# KiCad board Bread70.kicad_pcb (continued)
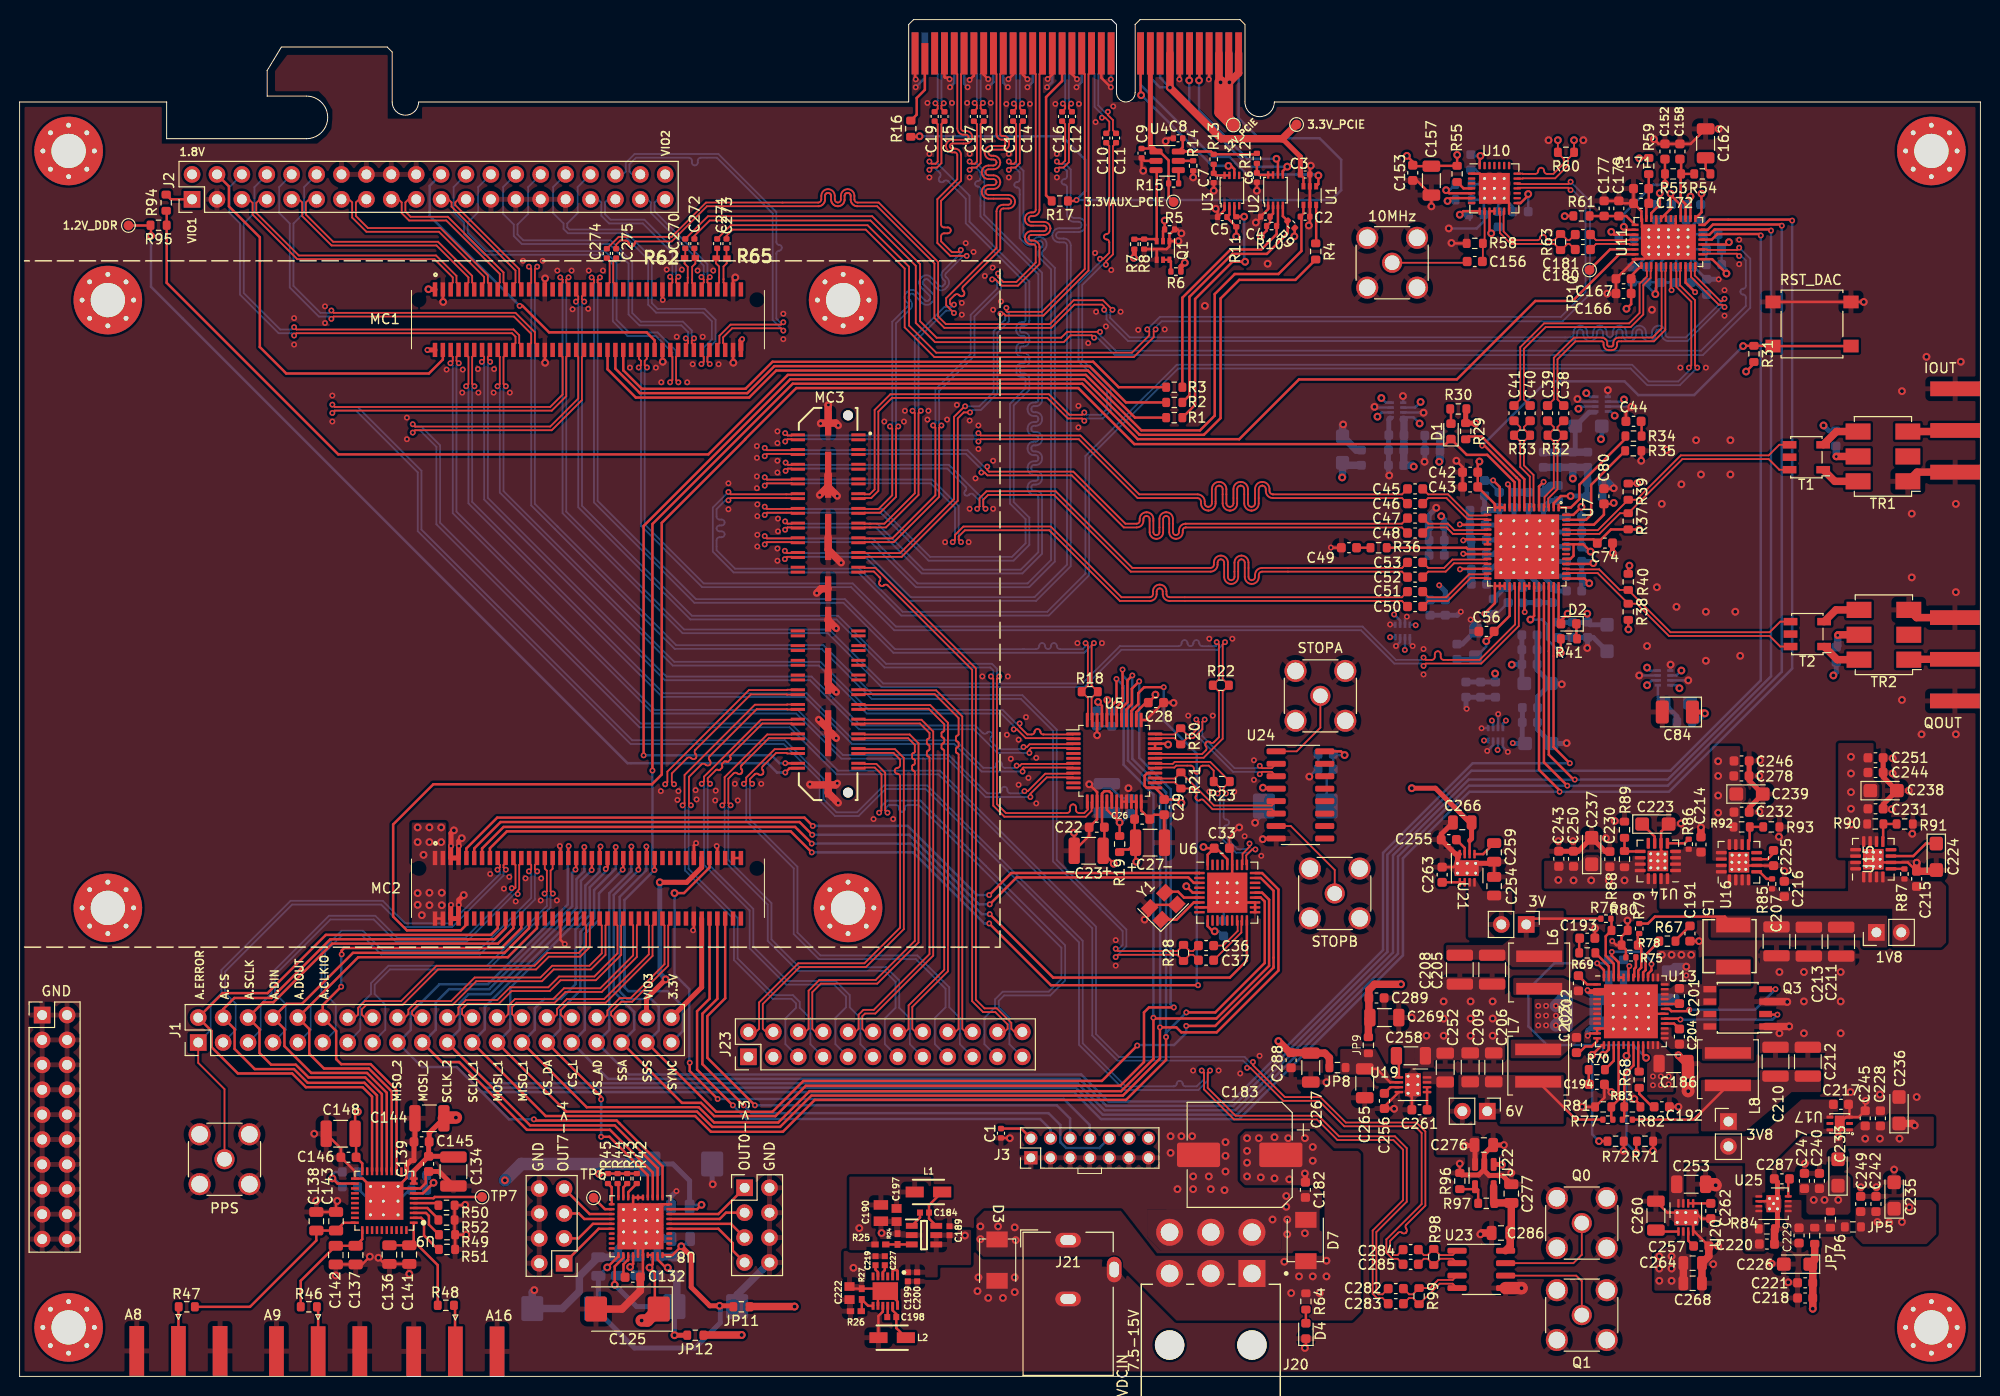
[diagram p0: board, top side]
## Routing (per net, layer and track width the routed paths; a pad name or vN(x,y) marks a point on that pad's centre or on a via; arc(x,y) is an arc through that point) (continued)
/MC12/B84_L3P: length 34.7
  Top w0.184: J5.70 69.57,104.21 69.78,104 69.78,103.5 v1(69.54,103.27)
  Bottom w0.184: v1(69.54,103.27) 69.78,103.5 69.78,104.95 70.61,105.78 70.61,107.62 69.72,108.51 64.92,108.51 64.11,109.32 64.11,113.92 61.42,116.61 55.92,116.61 55.48,117.05 55.48,117.6 54.42,118.66 54.42,121.32 55.7,122.6
/MC12/B84_L4N: length 15.4
  Top w0.184: J5.63 67.17,111.37 66.96,111.58 66.96,111.93 v1(67.19,112.17)
  Bottom w0.184: v1(67.19,112.17) 66.96,112.4 66.96,114.76 63.73,117.99 60.28,117.99 59.71,118.56 59.71,119.75 60.02,120.06 60.79,120.06
/MC12/B84_L4P: length 15.4
  Top w0.184: J5.61 66.37,111.37 66.58,111.58 66.58,111.93 v1(66.34,112.17)
  Bottom w0.184: v1(66.34,112.17) 66.58,112.4 66.58,114.6 63.57,117.61 60.12,117.61 59.33,118.4 59.33,119.75 59.02,120.06 58.25,120.06
/MC12/B84_L9N: length 34.2
  Top w0.184: J5.68 68.77,105.2 68.56,105.41 68.56,105.65 v1(68.79,105.88)
  Bottom w0.184: 53.16,122.6 51.87,121.31 51.87,118.59 50.78,117.5 50.78,116.48 51.38,115.89 60.28,115.89 62.49,113.68 62.49,108.48 63.38,107.59 67.65,107.59 68.56,106.68 68.56,106.12 v1(68.79,105.88)
/MC12/B84_L9P: length 34.2
  Top w0.184: J5.66 67.97,105.2 68.18,105.41 68.18,105.65 v1(67.94,105.88)
  Bottom w0.184: v1(67.94,105.88) 68.18,106.12 68.18,106.53 67.5,107.21 63.22,107.21 62.11,108.32 62.11,113.52 60.12,115.51 51.22,115.51 50.41,116.33 50.41,117.5 49.32,118.59 49.32,121.32 50.6,122.6
/MC12/B86_HDGC_L5N: length 17.2
  Top w0.184: 56.27,36.6 55.5,36.6 55.19,36.91 55.19,37.32 55.98,38.11 59.78,38.11 64.56,42.89 64.56,46 64.77,46.21 J4.58
/MC12/B86_HDGC_L5P: length 17.2
  Top w0.184: 53.73,36.6 54.5,36.6 54.81,36.91 54.81,37.48 55.82,38.49 59.62,38.49 64.18,43.05 64.18,46 63.97,46.21 J4.56
/MC12/B86_HDGC_L6N: length 20.8
  Top w0.184: 51.31,36.65 50.54,36.65 50.23,36.95 50.23,37.66 50.68,38.11 54.58,38.11 55.68,39.21 59.38,39.21 62.96,42.79 62.96,46 63.17,46.21 J4.54
/MC12/B86_HDGC_L6P: length 20.8
  Top w0.184: 48.77,36.65 49.55,36.65 49.85,36.95 49.85,37.82 50.52,38.49 54.42,38.49 55.52,39.59 59.22,39.59 62.58,42.95 62.58,46 62.37,46.21 J4.52
/MC12/B86_HDGC_L7N: length 30.6
  Top w0.184: J4.42 58.37,46.21 58.16,46 58.16,43.79 57.18,42.81 53.98,42.81 52.68,41.51 42.68,41.51 39.08,37.91 35.38,37.91 34.91,37.44 34.91,36.91 35.21,36.6 35.99,36.6
/MC12/B86_HDGC_L7P: length 30.6
  Top w0.184: 33.45,36.6 34.22,36.6 34.53,36.91 34.53,37.59 35.22,38.29 38.92,38.29 42.52,41.89 52.52,41.89 53.82,43.19 57.02,43.19 57.78,43.95 57.78,46 57.57,46.21 J4.40
/MC12/B86_L2N: length 24
  Top w0.184: 46.21,36.65 45.44,36.65 45.13,36.95 45.13,37.46 45.68,38.01 48.88,38.01 50.18,39.31 54.08,39.31 55.18,40.41 58.78,40.41 61.36,42.99 61.36,46 61.57,46.21 J4.50
/MC12/B86_L2P: length 24
  Top w0.184: J4.48 60.77,46.21 60.98,46 60.98,43.15 58.62,40.79 55.02,40.79 53.92,39.69 50.02,39.69 48.72,38.39 45.52,38.39 44.75,37.62 44.75,36.95 44.45,36.65 43.67,36.65
/MC12/B86_L10N: length 27.4
  Top w0.184: 41.11,36.65 40.34,36.65 40.03,36.95 40.03,37.26 40.68,37.91 44.18,37.91 46.58,40.31 53.28,40.31 54.48,41.51 58.28,41.51 59.76,42.99 59.76,46 59.97,46.21 J4.46
/MC12/B86_L10P: length 27.4
  Top w0.184: 38.57,36.65 39.35,36.65 39.65,36.95 39.65,37.42 40.52,38.29 44.02,38.29 46.42,40.69 53.12,40.69 54.32,41.89 58.12,41.89 59.38,43.15 59.38,46 59.17,46.21 J4.44
/MC12/B87_HDGC_L5N: length 33.4
  Top w0.184: v1(54.39,49.25) 54.16,49.49 54.16,51.58 54.37,51.79 J4.31
  Bottom w0.184: v1(54.39,49.25) 54.16,49.01 54.16,47.84 47.83,41.51 37.78,41.51 36.21,39.95 36.21,39 37.3,37.91 37.3,35.36 36.01,34.07
/MC12/B87_HDGC_L5P: length 33.4
  Top w0.184: v1(53.54,49.25) 53.78,49.49 53.78,51.58 53.57,51.79 J4.29
  Bottom w0.184: 33.47,34.07 34.75,35.35 34.75,37.91 35.84,39 35.84,40.1 37.62,41.89 47.67,41.89 53.78,48 53.78,49.01 v1(53.54,49.25)
/MC12/B87_HDGC_L6N: length 44.6
  Top w0.184: v1(49.59,51.69) 49.36,51.92 49.36,52.17 49.57,52.38 J4.19
  Bottom w0.182: 20.96,41.3 20.96,39.1 22.05,38.01 22.05,37.85 ; 49.36,51.09 49.36,51.45 v1(49.59,51.69)
  Bottom w0.184: 49.36,51.09 44.11,45.84 39.17,45.84 36.88,48.13 27.8,48.13 20.96,41.3 ; J1.3 22.05,35.35 22.05,37.85
/MC12/B87_HDGC_L6P: length 57.7
  Top w0.184: J4.17 48.77,52.38 48.98,52.17 48.98,51.92 v1(48.74,51.69) ; J1.1 18.22,31.98 20.9,29.3 J6.1
  Bottom w0.182: 20.59,41.45 20.59,39.1 19.5,38.01 19.5,37.9 ; 48.98,51.25 48.98,51.45 v1(48.74,51.69)
  Bottom w0.184: 20.59,41.45 27.64,48.51 37.04,48.51 39.33,46.22 43.96,46.22 48.98,51.25 ; 19.5,37.9 19.5,35.34 J1.1
/MC12/B87_HDGC_L7N: length 40
  Top w0.184: J4.27 52.77,52.38 52.56,52.17 52.56,51.75 v1(52.79,51.52)
  Bottom w0.184: v1(52.79,51.52) 52.56,51.28 52.56,48.64 46.97,43.05 36.88,43.05 34.85,45.08 32.98,45.08 31.16,43.27 31.16,39 32.25,37.91 32.25,35.36 30.96,34.07
/MC12/B87_HDGC_L7P: length 40
  Top w0.184: J4.25 51.97,52.38 52.18,52.17 52.18,51.75 v1(51.94,51.52)
  Bottom w0.184: 28.42,34.07 29.7,35.35 29.7,37.91 30.79,39 30.79,43.43 32.82,45.46 35.01,45.46 37.04,43.43 46.81,43.43 52.18,48.8 52.18,51.28 v1(51.94,51.52)
/MC12/B87_L10N: length 41.7
  Top w0.184: J4.23 51.17,52.38 50.96,52.17 50.96,49.69 50.8,49.53 v1(50.8,49.2)
  Bottom w0.184: 25.86,34.07 27.15,35.36 27.15,37.96 26.06,39.05 26.06,40.96 31.71,46.61 36.12,46.61 38.41,44.32 45.59,44.32 50.47,49.2 v1(50.8,49.2)
/MC12/B87_L10P: length 41.7
  Top w0.184: v1(50.2,49.8) 50.53,49.8 50.58,49.85 50.58,52.17 50.37,52.38 J4.21
  Bottom w0.184: v1(50.2,49.8) 50.2,49.47 45.43,44.7 38.56,44.7 36.28,46.98 31.55,46.98 25.69,41.12 25.69,39.05 24.6,37.96 24.6,35.35 23.32,34.07
/MC12/CLK+: length 124.8
  Top w0.182: C36.2 119.69,43.39 119.35,43.39 R28.1
  Top w0.184: J5.25 51.97,111.37 52.18,111.58 52.18,112.96 v1(51.94,113.2) ; v1(111.8,43.62) 112.04,43.39 118.08,43.39 R28.1
  Bottom w0.184: 54.57,86.47 66.82,74.21 81.82,74.21 86.92,69.11 102.12,69.11 105.41,65.82 105.41,52.52 112.51,45.42 112.51,44.02 112.12,43.62 v1(111.8,43.62) ; 54.67,86.37 52.18,88.85 52.18,112.96 v1(51.94,113.2)
/MC12/CLK-: length 125.6
  Top w0.182: R28.2 119.35,43.01 119.69,43.01 C37.2
  Top w0.184: v1(111.8,42.77) 112.04,43.01 118.08,43.01 R28.2 ; v1(52.79,113.2) 52.56,112.96 52.56,111.58 52.77,111.37 J5.27
  Bottom w0.184: v1(111.8,42.77) 112.89,43.86 112.89,45.58 105.79,52.68 105.79,65.98 102.28,69.49 87.08,69.49 81.98,74.59 66.98,74.59 54.83,86.73 ; 54.93,86.63 52.56,89.01 52.56,112.96 v1(52.79,113.2)
/MC12/FRAMEAN: length 83.9
  Top w0.184: J5.20 49.57,104.21 49.36,104 49.36,101.24 v1(49.59,101) ; U5.1 107.43,65.48 104.4,65.48 arc(104.2,65.56) 104.12,65.76 arc(104.04,65.95) 103.85,66.03 103.8,66.03 arc(103.6,65.95) 103.52,65.76 arc(103.44,65.56) 103.25,65.48 102.79,65.48 102,66.27 v1(102,66.6)
  Bottom w0.184: v1(49.59,101) 49.36,100.76 49.36,90.31 66.78,72.89 81.68,72.89 86.58,67.99 100.28,67.99 101.67,66.6 v1(102,66.6)
/MC12/FRAMEAP: length 83.9
  Top w0.184: J5.18 48.77,104.21 48.98,104 48.98,101.24 v1(48.74,101) ; v1(101.4,66) 101.73,66 102.63,65.1 107.43,65.1 U5.2
  Bottom w0.184: v1(101.4,66) 101.4,66.33 100.12,67.61 86.42,67.61 81.52,72.51 66.62,72.51 48.98,90.15 48.98,100.76 v1(48.74,101)
/MC12/FRAMEBN: length 89.4
  Top w0.184: v1(46.39,101) 46.16,101.24 46.16,104 46.37,104.21 J5.12 ; U5.7 107.43,62.48 102.21,62.48 102.03,62.3 v1(101.7,62.3)
  Bottom w0.184: v1(101.7,62.3) 101.48,62.08 100.5,62.08 arc(100.29,62.17) 100.2,62.38 100.2,62.45 arc(100.11,62.66) 99.9,62.75 arc(99.69,62.66) 99.6,62.45 99.6,62.38 arc(99.51,62.17) 99.3,62.08 98.29,62.08 95.48,64.89 85.08,64.89 80.28,69.69 65.68,69.69 46.16,89.21 46.16,100.76 v1(46.39,101)
/MC12/FRAMEBP: length 89.4
  Top w0.184: U5.8 107.43,62.1 102.37,62.1 102.3,62.03 v1(102.3,61.7) ; v1(45.54,101) 45.78,101.24 45.78,104 45.57,104.21 J5.10
  Bottom w0.184: v1(45.54,101) 45.78,100.76 45.78,89.05 65.52,69.31 80.12,69.31 84.92,64.51 95.32,64.51 98.13,61.7 v1(102.3,61.7)
/MC12/INT_CB: length 80.9
  Top w0.254: U6.3 119.76,50.34 119.21,50.9 101.7,50.9 v1(98.95,48.15) ; v1(80.85,55.25) 79.55,56.55 49.06,56.55 46.37,53.85 J4.11
  Bottom w0.254: v1(80.85,55.25) 90.75,55.25 97.85,48.15 v1(98.95,48.15)
/MC12/JTAG_TCK: length 56.5
  Top w0.254: v1(75,27.65) 70.15,32.5 70.15,36.75 71.97,38.57 J4.76
  Bottom w0.254: v1(75,27.65) 105.8,27.65 107.15,26.3 J3.6
/MC12/JTAG_TDI: length 62
  Top w0.254: v1(73.85,27.65) 69.65,31.85 69.65,37 71.17,38.52 J4.74
  Bottom w0.254: J3.10 110.15,23.3 106.74,23.3 106.15,23.89 106.15,25.65 104.95,26.85 74.65,26.85 v1(73.85,27.65)
/MC12/JTAG_TDO: length 68.8
  Top w0.25: v1(68.35,32) 68.35,31.15 v1(71.2,28.3) ; J4.71 70.37,51.9 67.77,49.3 v2(66.8,49.3)
  Bottom w0.25: v1(68.35,32) 68.3,32.05 68.3,39.5 66.8,41 v2(66.8,49.3) ; v1(71.2,28.3) 106.5,28.3 109.15,25.65 J3.8
/MC12/JTAG_TMS: length 55.4
  Top w0.25: v1(72.75,27.65) 69.1,31.3 69.1,37.25 70.37,38.52 J4.72
  Bottom w0.25: v1(72.75,27.65) 74.15,26.25 104.1,26.25 105.15,25.2 J3.4
/MC12/LCLKINN: length 90.7
  Top w0.182: U5.48 108.96,67.02 108.96,69.21 R18.2
  Top w0.184: J5.43 59.17,111.37 58.96,111.58 58.96,111.86 v1(59.19,112.1) ; R18.2 108.96,70.48 108.96,74.56 v1(108.73,74.8)
  Bottom w0.184: v1(108.73,74.8) 108.73,74.48 108.43,74.19 106.1,74.19 arc(105.89,74.28) 105.8,74.49 105.8,74.51 arc(105.71,74.72) 105.5,74.81 arc(105.29,74.72) 105.2,74.51 105.2,74.49 arc(105.11,74.28) 104.9,74.19 arc(104.69,74.28) 104.6,74.49 104.6,74.51 arc(104.51,74.72) 104.3,74.81 arc(104.09,74.72) 104,74.51 104,74.49 arc(103.91,74.28) 103.7,74.19 89.28,74.19 84.18,79.29 68.98,79.29 58.96,89.31 58.96,111.86 v1(59.19,112.1)
/MC12/LCLKINP: length 90.7
  Top w0.182: R18.1 109.34,69.21 109.34,67.02 U5.47
  Top w0.184: R18.1 109.34,70.48 109.34,74.56 v1(109.58,74.8) ; v1(58.34,112.1) 58.58,111.86 58.58,111.58 58.37,111.37 J5.41
  Bottom w0.184: v1(109.58,74.8) 108.59,73.81 89.12,73.81 84.02,78.91 68.82,78.91 58.58,89.15 58.58,111.86 v1(58.34,112.1)
/MC12/LCLKOUTN: length 97.4
  Top w0.184: J5.39 57.57,110.38 57.36,110.17 57.36,109.87 v1(57.59,109.63) ; v1(99.93,71.4) 99.69,71.16 99.69,58.38 100.6,57.47 106.85,57.47 arc(107.06,57.56) 107.15,57.77 107.15,58.05 arc(107.24,58.26) 107.45,58.35 arc(107.66,58.26) 107.75,58.05 107.75,57.77 arc(107.84,57.56) 108.05,57.47 108.59,57.47 108.96,57.84 108.96,58.57 U5.13
  Bottom w0.184: v1(57.59,109.63) 57.36,109.4 57.36,88.81 68.58,77.59 83.48,77.59 88.38,72.69 99.18,72.69 99.69,72.18 99.69,71.64 v1(99.93,71.4)
/MC12/LCLKOUTP: length 97.4
  Top w0.184: v1(99.07,71.4) 99.31,71.16 99.31,58.22 100.44,57.09 108.75,57.09 109.34,57.68 109.34,58.57 U5.14 ; J5.37 56.77,110.38 56.98,110.17 56.98,109.87 v1(56.74,109.63)
  Bottom w0.184: v1(56.74,109.63) 56.98,109.4 56.98,88.65 68.42,77.21 83.32,77.21 88.22,72.31 99.02,72.31 99.31,72.02 99.31,71.64 v1(99.07,71.4)
/MC12/LOL: length 91.1
  Top w0.254: v1(98.95,47.15) 105.42,40.68 123.44,40.68 125.18,42.42 U6.18 ; v1(80.8,54.35) 79.1,56.05 49.36,56.05 47.17,53.85 J4.13
  Bottom w0.254: v1(80.8,54.35) 90.95,54.35 98.15,47.15 v1(98.95,47.15)
/MC12/RSTIDXN: length 120.6
  Top w0.184: J5.35 55.97,111.37 55.76,111.58 55.76,111.87 v1(55.99,112.1) ; U5.32 115.88,63.48 120.61,63.48 121,63.87 arc(121.08,64.07) 121,64.26 arc(120.92,64.45) 121,64.65 121.04,64.68 arc(121.23,64.76) 121.43,64.68 arc(121.62,64.6) 121.82,64.68 122.34,65.2 122.34,69.86 R22.1 122.34,71.14 122.34,74.66 v1(122.1,74.9)
  Bottom w0.184: v1(55.99,112.1) 55.76,111.87 55.76,88.21 67.78,76.19 82.58,76.19 88.08,70.69 108.42,70.69 112.22,74.49 118.22,74.49 arc(118.44,74.58) 118.53,74.79 118.53,74.81 arc(118.61,75.02) 118.82,75.11 arc(119.04,75.02) 119.12,74.81 119.12,74.79 arc(119.21,74.58) 119.43,74.49 arc(119.64,74.58) 119.72,74.79 119.72,74.81 arc(119.81,75.02) 120.03,75.11 arc(120.24,75.02) 120.32,74.81 120.32,74.79 arc(120.41,74.58) 120.62,74.49 122,74.49 122.1,74.58 v1(122.1,74.9)
/MC12/RSTIDXP: length 120.6
  Top w0.184: U5.31 115.88,63.1 120.77,63.1 122.71,65.05 122.71,69.86 R22.2 122.71,71.14 122.71,74.66 v1(122.95,74.9) ; v1(55.14,112.1) 55.38,111.87 55.38,111.58 55.17,111.37 J5.33
  Bottom w0.184: v1(55.14,112.1) 55.38,111.87 55.38,88.05 67.62,75.81 82.42,75.81 87.92,70.31 108.58,70.31 112.38,74.11 122.16,74.11 v1(122.95,74.9)
/MC12/SDOAN: length 86.8
  Top w0.184: U5.3 107.43,64.48 103.01,64.48 102.73,64.2 v1(102.4,64.2) ; v1(47.99,103.49) 47.76,103.73 47.76,104 47.97,104.21 J5.16
  Bottom w0.184: v1(47.99,103.49) 47.76,103.26 47.76,89.61 65.98,71.39 80.78,71.39 85.78,66.39 97.48,66.39 98.24,65.63 arc(98.45,65.54) 98.66,65.63 98.71,65.68 arc(98.92,65.77) 99.13,65.68 arc(99.22,65.47) 99.13,65.26 99.08,65.21 arc(99,65) 99.08,64.78 99.89,63.98 102.18,63.98 v1(102.4,64.2)
/MC12/SDOAP: length 86.8
  Top w0.184: v1(103,63.6) 103,63.93 103.17,64.1 107.43,64.1 U5.4 ; J5.14 47.17,104.21 47.38,104 47.38,103.73 v1(47.14,103.49)
  Bottom w0.184: v1(103,63.6) 99.73,63.6 97.32,66.01 85.62,66.01 80.62,71.01 65.82,71.01 47.38,89.45 47.38,103.26 v1(47.14,103.49)
/MC12/SDOBN: length 93.3
  Top w0.184: v1(44.79,103.35) 44.56,103.59 44.56,104 44.77,104.21 J5.8 ; v1(102.5,59.7) 102.83,59.7 104.61,61.48 107.43,61.48 U5.9
  Bottom w0.184: v1(102.5,59.7) 102.28,59.48 101.05,59.48 arc(100.84,59.57) 100.75,59.78 100.75,59.85 arc(100.66,60.06) 100.45,60.15 arc(100.24,60.06) 100.15,59.85 100.15,59.78 arc(100.06,59.57) 99.85,59.48 98.69,59.48 94.78,63.39 83.98,63.39 79.38,67.99 64.78,67.99 44.56,88.21 44.56,103.12 v1(44.79,103.35)
/MC12/SDOBP: length 93.3
  Top w0.184: v1(103.1,59.1) 103.1,59.43 104.77,61.1 107.43,61.1 U5.10 ; v1(43.94,103.35) 44.18,103.59 44.18,104 43.97,104.21 J5.6
  Bottom w0.184: v1(43.94,103.35) 44.18,103.12 44.18,88.05 64.62,67.61 79.22,67.61 83.82,63.01 94.62,63.01 98.53,59.1 v1(103.1,59.1)
/MC12/~{RST}: length 81.3
  Top w0.254: v1(80.9,56.15) 80.05,57 48.71,57 45.57,53.85 J4.9 ; 120.34,51.35 101.15,51.35 v1(98.9,49.1) ; 120.34,51.35 U6.1 120.34,51.35
  Bottom w0.254: v1(80.9,56.15) 90.6,56.15 97.65,49.1 v1(98.9,49.1)
/PCIe/PCIE_C_RX0N: length 6.4
  Top w0.187: v1(106.41,129.83) 106.64,129.6 106.64,129.34 106.34,129.03 C16.1
  Bottom w0.187: v1(106.41,129.83) 106.64,130.07 106.64,132.84 106.34,133.15 J8.A17
/PCIe/PCIE_C_RX0P: length 6.4
  Top w0.187: v1(107.26,129.83) 107.03,129.6 107.03,129.34 107.34,129.03 C12.1
  Bottom w0.187: v1(107.26,129.83) 107.03,130.07 107.03,132.84 107.34,133.15 J8.A16
/PCIe/PCIE_C_RX1N: length 6.4
  Top w0.187: C18.1 101.34,129.03 101.64,129.34 101.64,129.6 v1(101.41,129.84)
  Bottom w0.187: v1(101.41,129.84) 101.64,130.07 101.64,132.84 101.34,133.15 J8.A22
/PCIe/PCIE_C_RX1P: length 6.4
  Top w0.187: C14.1 102.34,129.03 102.03,129.34 102.03,129.6 v1(102.26,129.84)
  Bottom w0.187: J8.A21 102.34,133.15 102.03,132.84 102.03,130.07 v1(102.26,129.84)
/PCIe/PCIE_C_RX2N: length 6.4
  Top w0.187: C17.1 97.34,129.03 97.64,129.34 97.64,129.67 v1(97.41,129.9)
  Bottom w0.187: v1(97.41,129.9) 97.64,130.13 97.64,132.84 97.34,133.15 J8.A26
/PCIe/PCIE_C_RX2P: length 6.4
  Top w0.187: C13.1 98.34,129.03 98.03,129.34 98.03,129.67 v1(98.26,129.9)
  Bottom w0.187: v1(98.26,129.9) 98.03,130.13 98.03,132.84 98.34,133.15 J8.A25
/PCIe/PCIE_C_RX3N: length 6.4
  Top w0.187: v1(93.41,129.87) 93.64,129.63 93.64,129.31 C19.1
  Bottom w0.187: v1(93.41,129.87) 93.64,130.1 93.64,132.84 93.34,133.15 J8.A30
/PCIe/PCIE_C_RX3P: length 6.4
  Top w0.187: v1(94.26,129.87) 94.03,129.63 94.03,129.31 C15.1
  Bottom w0.187: v1(94.26,129.87) 94.03,130.1 94.03,132.84 94.34,133.15 J8.A29
/PCIe/PCIE_PERST_B_3V3: length 26.4
  Top w0.254: U1.4 132.47,121.62 v2(132.47,122.5)
  Bottom w0.254: v2(132.47,122.5) 132.37,122.6 125.2,122.6 123.4,124.4 121.7,124.4 114.34,131.77 J8.A11
/PCIe/PCIE_PERST_VIO: length 155.8
  Top w0.254: R94.2 15,118.85 R95.1 15,111.55 32.5,94.05 70.25,94.05 78.36,102.16 108.76,102.16 114.42,96.5 120.4,96.5 121.9,98 121.9,110.4 123.95,112.45 128.4,112.45 130.74,114.79 130.74,118.2 C2.1 130.95,118.61 U1.1
/PCIe/PCIE_PRSNT1_B: length 73
  Top w0.254: v2(91.8,126.5) 91.75,126.45 R16.1 ; v1(107.8,120) 107.7,119.9 R17.1
  Bottom w0.254: J8.A1 124.34,128.37 126.4,126.3 132.6,126.3 134.8,124.1 134.8,121 133.8,120 v1(107.8,120) 108.7,120.9 108.7,124.1 106.3,126.5 v2(91.8,126.5)
/PCIe/PCIE_REFCLK_N: length 9.2
  Top w0.184: v1(110.4,128.4) 110.73,128.4 111.15,127.98 111.15,127.11 C10.2
  Bottom w0.184: J8.A14 109.34,133.15 109.65,132.84 109.65,129.49 110.4,128.73 v1(110.4,128.4)
/PCIe/PCIE_REFCLK_P: length 9.2
  Top w0.184: v1(111,129) 111,128.66 111.52,128.14 111.52,127.11 C11.2
  Bottom w0.184: J8.A13 110.34,133.15 110.02,132.84 110.02,129.64 110.67,129 v1(111,129)
/PCIe/PCIE_SMCLK_3V3: length 17.5
  Top w0.254: v2(120.3,132.2) 120.34,132.24 J8.B5 ; v2(128.2,124.2) 128.35,124.05 U2.6
  Bottom w0.254: v2(128.2,124.2) 125.23,124.2 120.3,129.13 v2(120.3,132.2)
/PCIe/PCIE_SMDAT_3V3: length 19
  Top w0.254: v2(129.3,123.4) 128.85,122.95 U2.5 ; v2(119.3,132.2) 119.34,132.24 J8.B6
  Bottom w0.254: v2(119.3,132.2) 119.3,129.5 125.4,123.4 v2(129.3,123.4)
/PCIe/PCIE_VIO_PG: length 9.6
  Top w0.254: U4.3 115.98,122.97 Q1.3 115.77,116.01 R8.1 114.69,116 R7.2
/PCIe/PCIE_WAKE_B_3V3: length 17.6
  Top w0.254: v2(114.39,130.69) 114.34,130.75 J8.B11 ; U3.6 123.9,123.15 123.57,123.48 v2(123.3,123.48)
  Bottom w0.254: 114.41,130.69 v2(114.39,130.69) 114.44,130.69 121.65,123.48 v2(123.3,123.48)
/PCIE_PERST_B_VIO: length 3.9
  Top w0.254: R4.1 132.25,115.62 U1.3
/PCIE_SMCLK_VIO: length 24.4
  Top w0.254: R3.1 118.6,110.03 123.51,114.95 126.65,114.95 128.21,116.51 R10.2 128.35,117.48 U2.3
/PCIE_SMDAT_VIO: length 26.8
  Top w0.254: U2.4 128.85,118.35 R9.2 129.34,116.61 127.22,114.5 123.7,114.5 119.32,110.12 119.32,100.07 R2.1
/PCIE_WAKE_B_VIO: length 26
  Top w0.254: v2(124.9,118.3) 124.88,118.28 R11.2 123.9,118.48 U3.3 ; R1.1 119.9,99.1 119.9,109.9 123.7,113.7 v2(125,113.7)
  Bottom w0.254: v2(125,113.7) 124.9,113.8 v2(124.9,118.3)
/Power/Switching/DL1: length 13.3
  Top w0.254: v1(179.1,39.5) Q3.4 ; v1(170.3,37.4) 170.15,37.25 168.48,37.25 168.24,37.49 U13.31
  Bottom w0.254: v1(179.1,39.5) 177,37.4 v1(170.3,37.4)
/Power/Switching/DL2: length 13
  Top w0.254: v1(179.3,36.9) 178.15,36.9 Q3.2 ; U13.29 169.31,36.49 v1(169.4,36.4)
  Bottom w0.254: v1(169.4,36.4) 178.8,36.4 v1(179.3,36.9)
/Power/Switching/VREG: length 43.2
  Top w0.254: v1(160.91,42.13) 161.6,41.45 U13.48 ; v2(161.5,32.8) 161.55,32.8 162.1,33.35 U13.14 ; v2(165.9,32.5) 165.6,32.8 U13.21 ; U13.44 U13.45 163.1,42.23 162.4,42.93 v1(162.4,43.3) ; v1(166.45,42.05) 166.45,41.42 166.1,41.07 U13.39
  Bottom w0.254: 161.5,33.8 164.6,33.8 v2(165.9,32.5) ; 161.5,33.8 v2(161.5,32.8) ; 161.5,33.8 155.8,33.8 153.9,35.7 153.9,39.5 156.53,42.13 v1(160.91,42.13) 161.73,42.13 C196.2 162.4,42.8 v1(162.4,43.3) 165.5,43.3 166.45,42.35 v1(166.45,42.05) ; 161.96,42.13 162.4,42.58
/SSA: length 127.5
  Top w0.254: v1(117.73,37.64) 115.19,37.64 114.69,37.13 114.69,32.06 112.26,29.64 80.19,29.64 77.1,26.55 70.85,26.55 69.5,27.9 67.56,27.9 J1.35 ; J4.53 63.17,51.75 v1(63.11,51.69) ; v1(114.2,70.9) 113.45,70.15 113.45,68.58 112.9,68.03 U5.40
  Bottom w0.254: 61.4,34.08 62.69,35.37 62.69,37.18 60.6,39.27 60.6,49.1 63.11,51.61 v1(63.11,51.69) ; v1(114.2,70.9) 114.2,63.1 117.4,59.9 117.4,37.97 v1(117.73,37.64)
/SSS: length 109.6
  Top w0.254: v1(114,33.75) 110.39,30.14 79.94,30.14 76.8,27 71.04,27 63.97,34.06 J1.37 ; U6.26 126.6,50.84 127.9,49.54 127.9,41.7 121.95,35.75 v1(119,35.75) ; J4.55 63.97,54.01 v1(63.93,54.05)
  Bottom w0.254: 63.9,34 65.19,35.29 65.19,37.73 64.42,38.5 62,38.5 61.2,39.3 61.2,48.9 63.93,51.63 v1(63.93,54.05) ; v1(114,33.75) 114.05,33.8 117.75,33.8 119,35.05 v1(119,35.75)
/Tdc/CLKIN+: length 4.2
  Top w0.182: U6.16 124.24,46.44 124.24,45.44 122.75,43.94 C36.1
/Tdc/CLKIN-: length 5.2
  Top w0.182: C37.1 124.62,45.28 124.62,46.44 U6.17
/Tdc/INTERRUPT: length 118.2
  Top w0.254: J4.15 47.97,53.87 49.7,55.6 78.65,55.6 v1(80.8,53.45) ; v1(120.2,39.9) 105.2,39.9 v1(98.9,46.2) ; v1(116.7,70.3) 114.7,70.3 114.1,69.7 114.1,68.58 113.4,67.89 U5.39
  Bottom w0.25: 120.03,63.58 120.07,63.53 120.07,40.03 v1(120.2,39.9)
  Bottom w0.254: v1(116.7,70.3) 116.7,66.9 120.03,63.58 ; v1(98.9,46.2) 98.4,46.2 91.15,53.45 v1(80.8,53.45)
/Tdc/REFCLKN: length 21.3
  Top w0.182: v1(125.45,54.35) 125.45,54.02 124.74,53.31 124.74,52.24 124.68,52.18 ; U5.30 115.88,62.48 117.62,62.48 117.82,62.68 ; 121.45,62.68 R23.1 122.81,60.04 122.81,59.7 v1(123.04,59.46)
  Top w0.184: 117.82,62.68 121.45,62.68
  Bottom w0.182: v1(123.04,59.46) 122.81,59.22 122.81,57.08 arc(122.89,56.88) 123.08,56.8 arc(123.28,56.72) 123.36,56.53 123.36,56.47 arc(123.28,56.28) 123.08,56.2 arc(122.89,56.12) 122.81,55.93 122.81,55.21 124.23,53.79 125.22,53.79 125.45,54.02 v1(125.45,54.35)
/Tdc/REFCLKP: length 21.3
  Top w0.182: 125.18,52.18 125.12,52.24 125.12,53.15 125.72,53.75 v1(126.05,53.75) ; U5.29 115.88,62.1 117.78,62.1 117.97,62.3 ; v1(122.19,59.46) 122.43,59.7 122.43,60.04 R23.2 121.79,61.8 121.29,62.3
  Top w0.184: 117.97,62.3 119.47,62.3 arc(119.69,62.21) 119.78,62 119.78,61.77 arc(119.86,61.56) 120.07,61.47 arc(120.29,61.56) 120.38,61.77 120.38,62 arc(120.46,62.21) 120.68,62.3 121.29,62.3
  Bottom w0.182: v1(122.19,59.46) 122.43,59.22 122.43,55.05 124.07,53.41 125.38,53.41 125.72,53.75 v1(126.05,53.75)
/Tdc/STOPAN: length 17.9
  Top w0.184: 117.79,65.1 R20.2 119.07,65.1 119.72,65.1 120.64,66.02 120.64,66.76 v1(120.88,67) ; U5.35 115.88,65.1 117.8,65.1 ; v1(126.49,62.28) 126.73,62.04 127.72,62.04 U24.2
  Bottom w0.184: v1(120.88,67) 120.64,66.76 120.64,65.33 123.92,62.04 126.26,62.04 v1(126.49,62.28)
/Tdc/STOPAP: length 17.9
  Top w0.184: v1(126.49,61.43) 126.73,61.67 127.72,61.67 U24.3 ; 117.8,65.48 115.88,65.48 U5.36 ; 117.79,65.48 R20.1 119.07,65.48 119.56,65.48 120.26,66.18 120.26,66.76 v1(120.03,67)
  Bottom w0.184: v1(126.49,61.43) 126.26,61.67 123.77,61.67 120.26,65.17 120.26,66.76 v1(120.03,67)
/Tdc/STOPBN: length 14.2
  Top w0.184: U24.5 127.72,58.23 121.83,58.23 R21.1 117.81,60.98 115.88,60.98 U5.27
/Tdc/STOPBP: length 14.2
  Top w0.184: U24.6 127.72,57.86 121.68,57.86 120.74,58.79 arc(120.58,58.86) 120.41,58.79 arc(120.25,58.72) 120.09,58.79 119.99,58.89 arc(119.92,59.05) 119.99,59.22 arc(120.06,59.38) 119.99,59.54 119.57,59.97 R21.2 117.81,60.6 115.88,60.6 U5.26
/Tdc/TVDD18: length 30.1
  Top w0.254: U5.22 U5.23 113.9,57.02 C26.1 113.73,54.54 C27.1 ; C27.1 113.83,52.57 v2(113.9,52.5) ; C27.1 113.13,53.74 112.2,53.74 ; v2(115.86,69.54) 115.86,69.46 C28.2 114.88,68.73 113.9,67.75 U5.38
  In3.Cu w0.254: v2(113.9,52.5) 113.9,67.59 v2(115.86,69.54)
/TTLgate/IN1_N: length 4.9
  Top w0.184: U23.2 146.17,12 144.88,12 R98.2 143.61,12 143.23,12 C285.1
/TTLgate/IN1_P: length 4.9
  Top w0.184: U23.1 146.17,12.37 144.88,12.37 R98.1 143.61,12.37 143.23,12.37 C284.2
/TTLgate/IN2_N: length 7
  Top w0.184: U23.4 146.17,9.46 144.84,9.46 R99.2 142.11,8 141.73,8 C283.1
/TTLgate/IN2_P: length 6.5
  Top w0.184: C282.2 141.73,8.37 142.11,8.37 R99.1 143.86,9.01 144.68,9.83 146.17,9.83 U23.3
/~{IRQ}: length 173.2
  Top w0.254: J4.10 45.57,46.07 45,45.5 39.5,45.5 38.1,46.9 38.1,56.3 42.2,60.4 64.5,60.4 65.5,61.4 65.5,87.07 74,95.57 74,95.6 79.21,100.81 107.98,100.81 113.7,95.1 145.49,95.1 D1.1 147.61,94 149.7,94 152.48,91.22 U7.10
ADA_3V3: length 242.2
  Top w0.254: v2(34.5,27) 34.22,26.72 C148.1 34.32,24.65 C146.1 34.95,21.72 U9.20 ; v2(59.1,20.65) 59.97,20.65 R45.1 R42.1 ; v2(69.55,17.5) 69.11,17.06 U8.9
  Top w0.762: JP7.1 183.1,11.9 C226.1 182.9,11.2 C221.1 C218.1 v2(182.9,6.9)
  In2.Cu w1.27: 52.5,1.5 49.5,4.5 v2(49.5,20) ; 52.5,1.5 109.5,1.5 114.5,6.5 130.5,6.5 135.5,1.5 177.5,1.5 v2(182.9,6.9) ; 52.5,1.5 43,1.5 34.5,10 v2(34.5,27)
  Bottom w0.254: C127.1 68.53,17.5 v2(69.55,17.5) 69.52,17.47 68.44,17.47 ; v2(59.1,20.65) 59.2,20.75 59.2,21.67
  Bottom w0.508: C130.1 66.63,21.67 68.34,19.96 C127.1
  Bottom w1.27: v2(49.5,20) 51.17,21.67 C130.1
ADA_5V: length 154.8
  Top w0.254: U9.9 40.2,19.8 ; C125.1 64.79,7.27 64.79,10.56 v2(64.25,11.1) 64.58,11.42 U8.38 U8.37
  Top w0.508: 43.28,26.33 41.78,24.83 C145.1 41.72,23.87 C139.1 ; 40.2,19.8 U9.10 40.2,20.93 C139.1 ; C139.1 44.17,22.45 C134.1
  Top w0.762: v2(128.4,34.2) 129.57,33.03 C288.1 131.65,33.03 C267.1 133.12,32.97 133.6,32.5 JP8.2
  Top w1.27: v2(63.45,5.7) 64.02,5.7 C125.1 ; v2(44.5,26.4) 43.35,26.4 43.28,26.33
  In2.Cu w1.27: v2(63.45,5.7) 75.25,5.7 80.6,11.05 80.6,20.6 78.83,22.37 ; 78.83,22.37 97.32,22.37 100.7,19 116,19 128.4,31.4 v2(128.4,34.2) ; 78.83,22.37 48.53,22.37 v2(44.5,26.4)
  Bottom w0.254: v2(64.25,11.1) C128.1
DAC_REFCLK_N: length 25
  Top w0.184: U11.5 167.43,112.79 167.49,112.72 167.49,106.91 166.55,105.96 163.11,105.96 arc(162.72,105.8) 162.56,105.41 162.56,105.23 arc(162.51,105.1) 162.39,105.05 162.11,105.05 arc(161.99,105.1) 161.94,105.23 161.94,105.41 arc(161.78,105.8) 161.39,105.96 158.55,105.96 156.49,103.9 156.49,99.66 C39.2
DAC_REFCLK_P: length 25
  Top w0.184: U11.6 167.93,112.79 167.87,112.72 167.87,106.75 166.7,105.59 163.11,105.59 arc(162.99,105.54) 162.94,105.41 162.94,105.23 arc(162.78,104.84) 162.39,104.68 162.11,104.68 arc(161.72,104.84) 161.56,105.23 161.56,105.41 arc(161.51,105.54) 161.39,105.59 158.7,105.59 156.86,103.75 156.86,99.66 C38.2